# Altium PCB work_pcb.PcbDoc (part 2 of 2)
Units mm, origin at the board's own origin, x right, y up, seen from the top; angles counter-clockwise.
Board outline 119 x 103.3 mm, 2 copper layers (Top, Bottom), stack 1.571 mm thick; 306 components, 217 nets, 977 pads, 34 vias.
Unrouted connection lines stored in the file: 387.
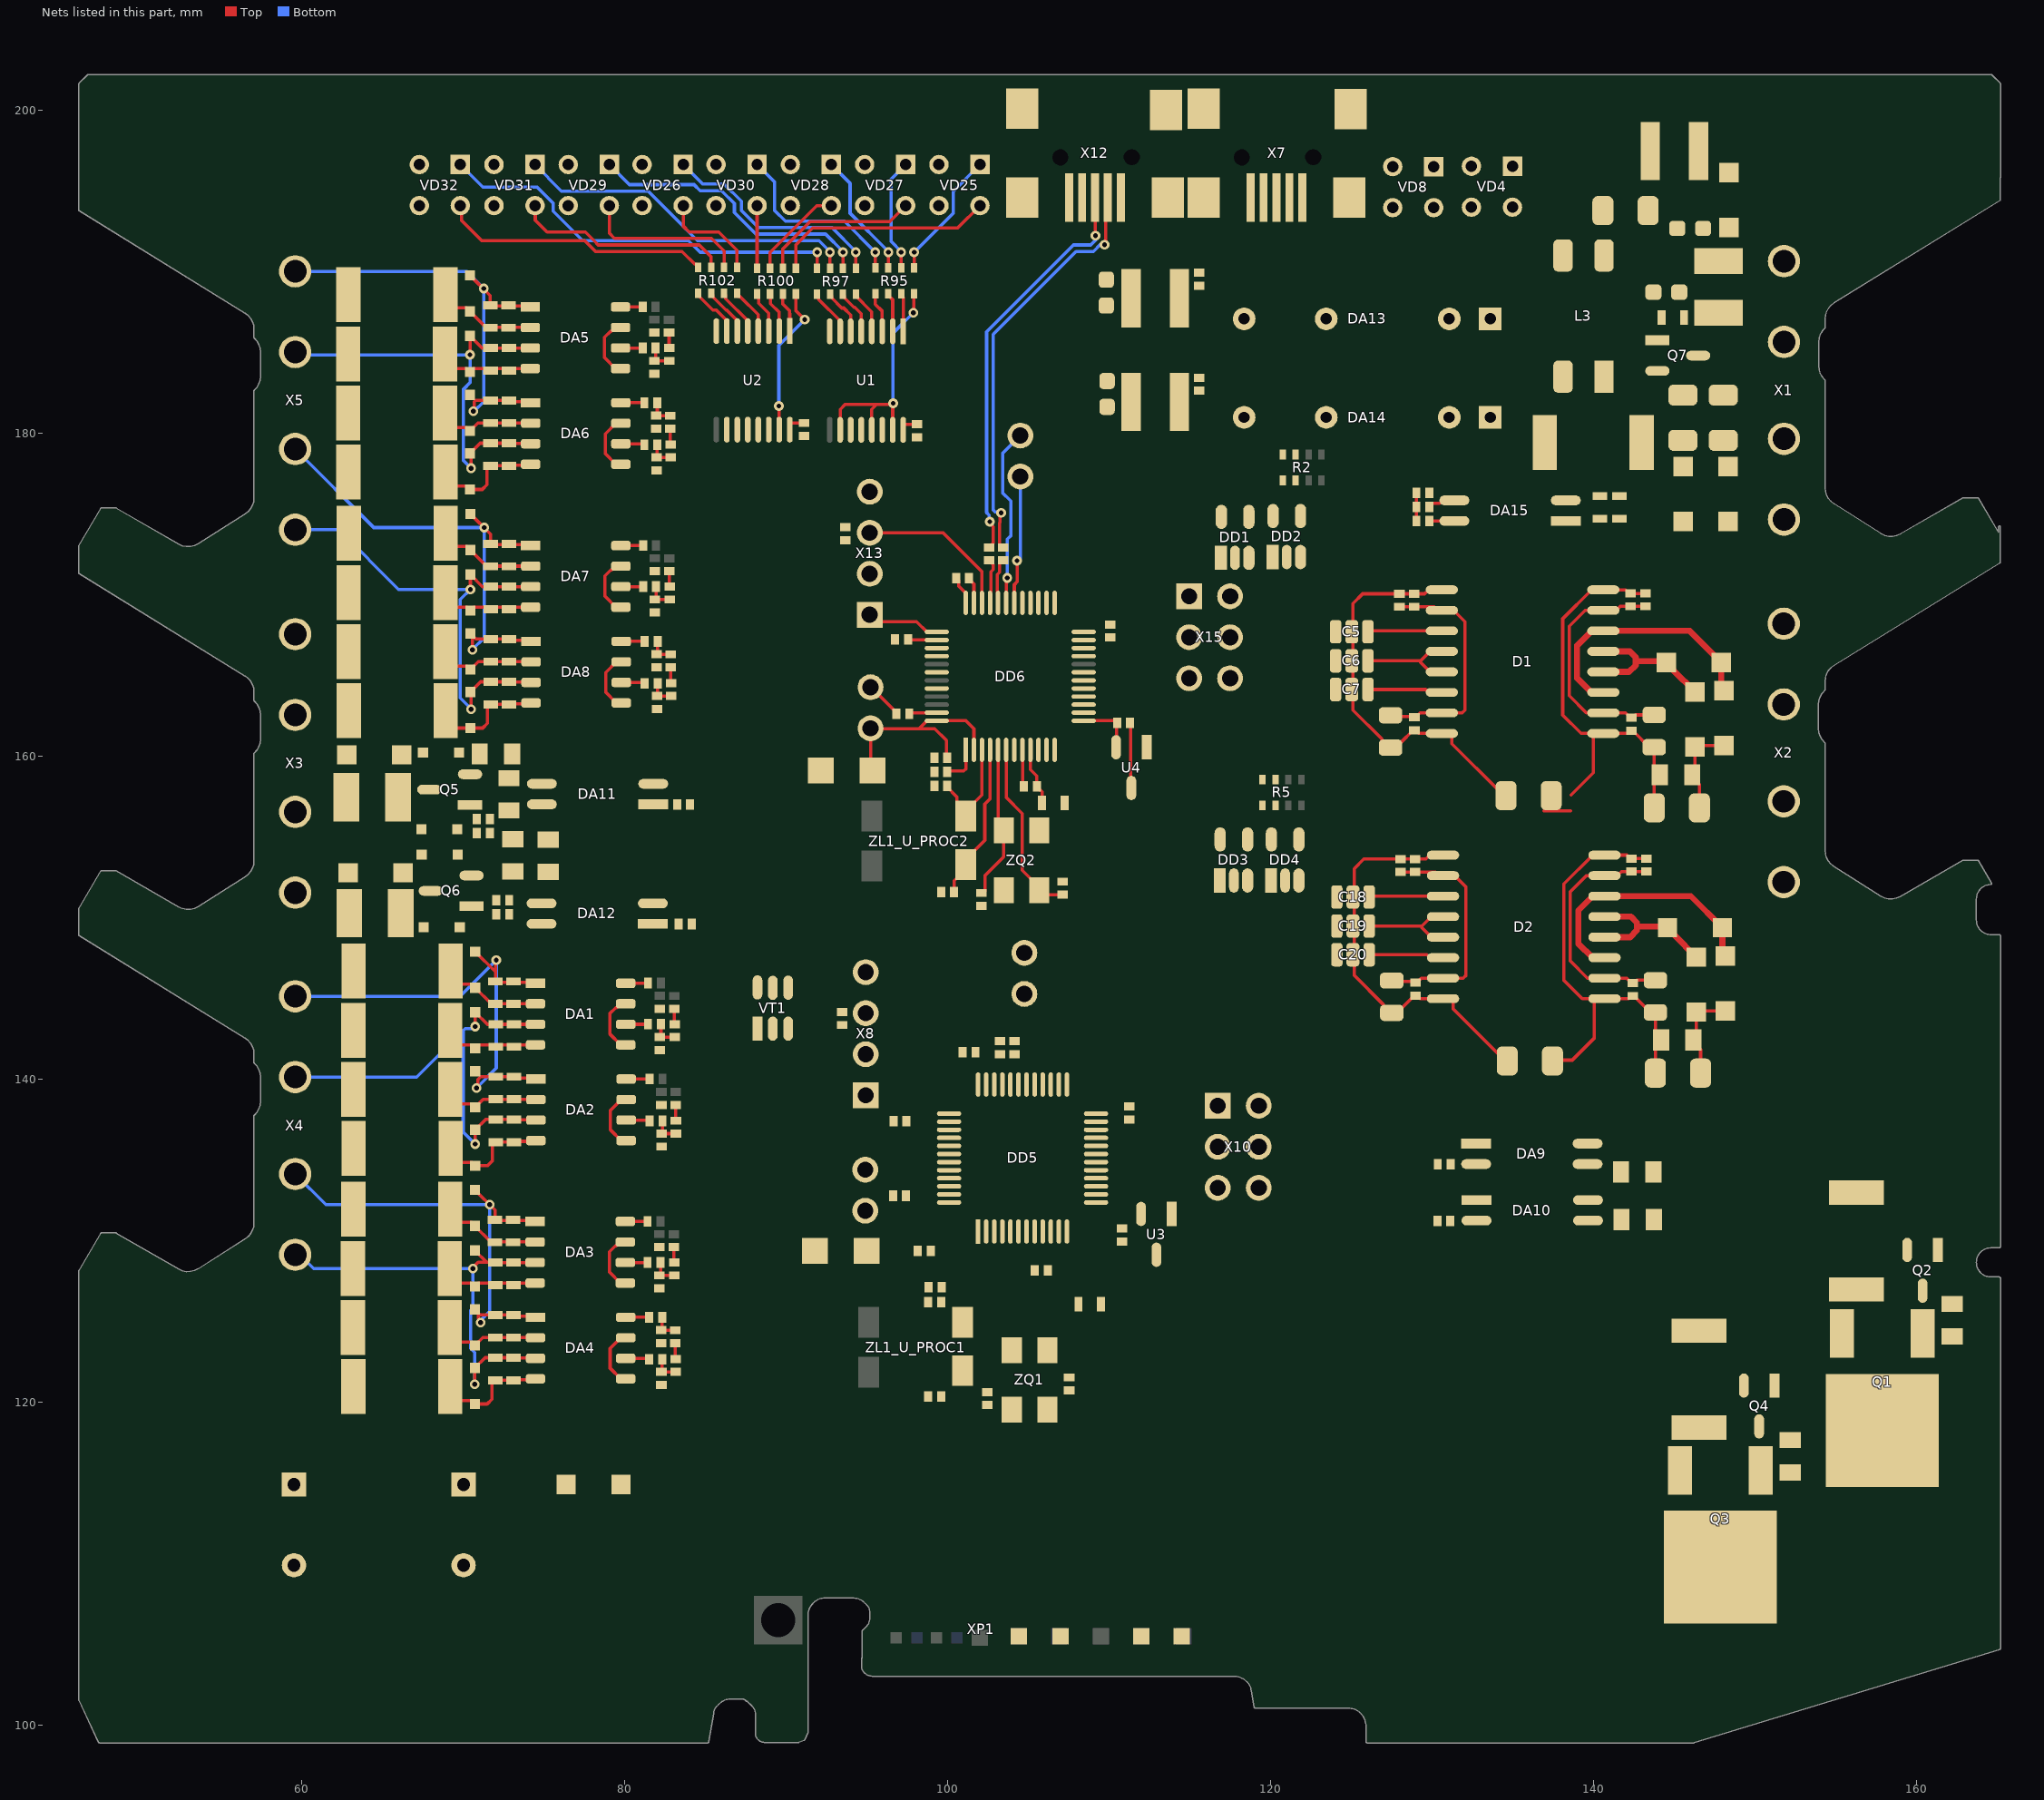
[diagram p2: the nets of this part, all layers, seen from the top]

## Via types
v1: diameter 0.6, hole 0.3, Top to Bottom, 34 vias

## Nets (pads, with @x,y where several pads share a name; then routed paths per layer and width w, separated by ;. In a path a pad name is that pad's centre, name@x,y a point inside that pad or via, vN(x,y) a via of type N, cw(c..) or ccw(c..) an arc to the next point about the centre after c; other vN are vias at no path point) (continued)
1out2_2: C36.2 DD6.42 R28.1 R33.1 | length 1.7
  Top w0.2: R33.1@82.32,125.248 82.32,124.525 C36.2@82.249,124.454 82.251,124.452 83.123,124.452 R28.1@83.126,124.45
1out2_3: C44.2 DD6.25 R48.1 R53.1 | length 1.7
  Top w0.2: R53.1@82.02,181.874 82.02,181.15 C44.2@81.949,181.079 81.951,181.077 82.823,181.077 R48.1@82.826,181.075
1out2_4: C52.2 DD6.19 R68.1 R73.1 | length 1.7
  Top w0.2: R73.1@82.045,167.099 82.045,166.375 C52.2@81.974,166.304 81.976,166.302 82.849,166.302 R68.1@82.851,166.3
2out1_1: C34.2 DD5.46 R17.1 R21.1 | length 1.7
  Top w0.2: C34.2@82.174,142.599 R17.1@83.099,142.599 ; C34.2@82.245,142.67 R21.1@82.245,143.399
2out1_2: C42.2 DD5.43 R37.1 R41.1 | length 1.7
  Top w0.2: C42.2@82.149,127.849 R37.1@83.074,127.849 ; C42.2@82.22,127.92 R41.1@82.22,128.649
2out1_3: C50.2 DD5.41 R57.1 R61.1 | length 1.7
  Top w0.2: C50.2@81.849,184.474 R57.1@82.774,184.474 ; C50.2@81.92,184.545 R61.1@81.92,185.274
2out1_4: C58.2 DD5.20 R77.1 R81.1 | length 1.7
  Top w0.2: C58.2@81.874,169.699 R77.1@82.799,169.699 ; C58.2@81.945,169.77 R81.1@81.945,170.499
2out2_1: C33.2 DD5.45 R18.1 R23.1 | length 1.7
  Top w0.2: R23.1@82.345,137.411 82.345,136.669 C33.2@82.299,136.624 R18.1@83.174,136.624
2out2_2: C41.2 DD5.42 R38.1 R43.1 | length 1.7
  Top w0.2: R43.1@82.32,122.661 82.32,121.919 C41.2@82.274,121.874 R38.1@83.149,121.874
2out2_3: C49.2 DD5.25 R58.1 R63.1 | length 1.7
  Top w0.2: R63.1@82.02,179.286 82.02,178.545 C49.2@81.974,178.499 R58.1@82.849,178.499
2out2_4: C57.2 DD5.19 R78.1 R83.1 | length 1.7
  Top w0.2: R83.1@82.045,164.511 82.045,163.77 C57.2@82,163.724 R78.1@82.874,163.724
3v_1: C1.1 C2.2 C8.2 C10.2 C59.1 C73.1 C74.1 C75.1 C76.2 C93.2 D1.2 D1.7 DA9.1 DD1.5 DD2.5 DD6.2 DD6.24 DD6.36 DD6.48 L2.1 L5.2 R7.2 R17.2 R27.2 R37.2 R47.2 R57.2 R67.2 R77.2 R114.1 R117.1 R120.2 U1.16 U4.1 X11.1 | length 35.3
  Top w0.2: R47.2@82.75,186.225 82.75,185.298 R57.2@82.774,185.274 ; R67.2@82.776,171.45 82.776,170.523 R77.2@82.799,170.499 ; R27.2@83.05,129.6 83.05,128.672 R37.2@83.074,128.649 ; R7.2@83.075,144.35 83.075,143.422 R17.2@83.099,143.399 ; C76.2@95.35,159.1 95.225,159.225 X11.1@95.225,161.725 95.25,161.7 98.228,161.7 ; U1.16@97.2,180.25 97.2,180.431 97.319,180.55 C59.1@98.1,180.55 ; C75.1@99.975,159.9 99.925,159.95 99.925,160.975 99.2,161.7 98.228,161.7 ; C73.1@100.525,171.025 100.675,170.875 100.675,170.548 101.126,170.097 DD6.36@101.126,169.487 ; DD6.2@101.626,160.387 101.626,161.699 101.138,162.187 DD6.48@99.326,162.187 98.716,162.187 98.228,161.7 ; C8.2@127.425,162.525 127.488,162.463 128.838,162.463 C10.2@128.9,162.4 128.975,162.4 129.25,162.675 D1.7@130.599,162.675 131.85,162.675 132.025,162.85 132.025,168.324 131.324,169.025 D1.2@130.599,169.025 ; C1.1@127.975,169.25 C2.2@128.875,169.25 130.125,169.25 D1.2@130.475,168.9
3v_2: C14.1 C15.2 C21.2 C23.2 C60.1 C61.1 C62.1 C63.1 C64.2 C97.2 D2.2 D2.7 DA10.1 DD3.5 DD4.5 DD5.24 DD5.36 DD5.48 L1.1 L6.2 R8.2 R18.2 R28.2 R38.2 R48.2 R58.2 R68.2 R78.2 U2.10 U2.13 U2.16 U3.1 X6.1 | length 19.9
  Top w0.2: R48.2@82.826,180.275 82.826,179.323 R58.2@82.849,179.299 ; R68.2@82.851,165.5 82.851,164.548 R78.2@82.874,164.524 ; R28.2@83.126,123.65 83.126,122.697 R38.2@83.149,122.674 ; R8.2@83.15,138.4 83.15,137.447 R18.2@83.174,137.424 ; U2.16@90.225,180.214 90.225,180.556 90.294,180.625 C60.1@91.1,180.625 ; C21.2@127.5,146.099 127.562,146.037 128.912,146.037 C23.2@128.975,145.974 129.05,145.974 129.324,146.249 D2.7@130.674,146.249 131.924,146.249 132.1,146.424 132.1,151.898 131.399,152.599 D2.2@130.674,152.599 ; C14.1@128.05,152.824 C15.2@128.95,152.824 130.2,152.824 D2.2@130.55,152.475
24+: C94.1 C95.1 Q5.3 Q6.3 R113.2 R116.2 VD39.K VD42.K VD48.K
24-: C90.1 C91.1 C94.2 C95.2 DA11.3 DA12.3 DA13.2 DA14.2 L3.3 R10.1 R15.1 R20.1 R25.1 R30.1 R35.1 R40.1 R45.1 R50.1 R55.1 R60.1 R65.1 R70.1 R75.1 R80.1 R85.1 VD40.A VD41.A VD43.A VD44.A
485_1_N: D1.12 D1.13 VD1.K VD2.K X2.2 XP1.2 | length 9.3
  Top w0.381: D1.12@140.599,165.215 142.191,165.215 142.6,165.623 142.6,165.874 ; D1.13@140.599,166.485 142.24,166.485 142.6,166.125 142.6,165.874 ; VD2.K@146.275,163.975 144.91,165.341 144.91,165.391 VD1.K@144.5,165.8 144.426,165.874 142.6,165.874
485_1_P: D1.11 D1.14 VD1.A VD3.K X2.1 XP1.1 | length 15.9
  Top w0.381: D1.11@140.599,163.945 139.855,163.945 138.975,164.825 138.975,166.855 139.874,167.755 D1.14@140.599,167.755 145.945,167.755 VD1.A@147.9,165.8 147.9,164.225 VD3.K@148.075,164.05
485_2_N: D2.12 D2.13 VD5.K VD6.K X2.4 XP1.5 | length 9.3
  Top w0.381: D2.12@140.674,148.789 142.266,148.789 142.675,149.198 142.675,149.449 ; D2.13@140.674,150.059 142.315,150.059 142.675,149.699 142.675,149.449 ; VD6.K@146.35,147.549 144.984,148.915 144.984,148.965 VD5.K@144.575,149.374 144.501,149.449 142.675,149.449
485_2_P: D2.11 D2.14 VD5.A VD7.K X2.3 XP1.4 | length 15.9
  Top w0.381: D2.11@140.674,147.519 139.93,147.519 139.05,148.399 139.05,150.43 139.949,151.329 D2.14@140.674,151.329 146.02,151.329 VD5.A@147.975,149.374 147.975,147.799 VD7.K@148.15,147.624
D_U_PROC1_N: DD5.32 R108.1
D_U_PROC1_P: DD5.33 R107.1
D_U_PROC2_N: DD6.32 R112.1 | length 2.9
  Top w0.2: DD6.32@103.126,169.487 103.126,170.119 103.076,170.169 103.076,171.249 103.213,171.386 103.213,171.858 103.225,171.87 103.225,171.975 103.375,172.125 R112.1@103.45,172.125
D_U_PROC2_P: DD6.33 R111.1 | length 2.9
  Top w0.2: R111.1@102.575,172.125 102.65,172.125 102.8,171.975 102.8,171.87 102.813,171.858 102.813,171.552 102.676,171.415 102.676,170.169 102.626,170.119 DD6.33@102.626,169.487
Du_U_PROC1_N: R108.2 X7.2
Du_U_PROC1_P: R107.2 X7.3
Du_U_PROC2_N: R112.2 X12.2 | length 26
  Top w0.2: v1(103.316,175.066) 103.239,174.989 103.239,174.481 103.213,174.454 103.213,173.192 103.225,173.18 103.225,173.075 103.375,172.925 R112.2@103.45,172.925 ; v1(109.716,191.659) 109.793,191.735 109.793,194.456 X12.2@109.924,194.588
  Bottom w0.2: v1(103.316,175.066) 103.253,175.128 102.93,175.128 102.813,175.245 102.813,186.113 107.95,191.25 109.025,191.25 109.45,191.675 109.7,191.675 v1(109.716,191.659)
Du_U_PROC2_P: R111.2 X12.3 | length 25.4
  Top w0.2: R111.2@102.575,172.925 102.65,172.925 102.8,173.075 102.8,173.18 102.813,173.192 102.813,174.204 102.613,174.404 v1(102.613,174.512) ; X12.3@109.124,194.588 109.138,194.575 109.138,192.237 v1(109.151,192.224)
  Bottom w0.2: v1(102.613,174.512) 102.561,174.564 102.561,174.931 102.413,175.08 102.413,186.278 107.784,191.65 108.859,191.65 109.167,191.958 109.167,192.208 v1(109.151,192.224)
ERTH: C13.1 C26.1 R1.1 R4.1 VD2.A VD3.A VD6.A VD7.A | length 11.4
  Top w0.2: C13.1@146.55,156.8 146.55,158.25 146.275,158.525 VD2.A@146.275,160.575 146.35,160.65 VD3.A@148.075,160.65 ; C26.1@146.625,140.375 146.625,141.824 146.35,142.099 VD6.A@146.35,144.149 146.425,144.224 VD7.A@148.15,144.224
G1: DD6.29 VT1.2
G2: DD5.29 VT1.5
GND: C1.2 C2.1 C5.3 C6.3 C7.3 C8.1 C10.1 C12.1 C14.2 C15.1 C18.3 C19.3 C20.3 C21.1 C23.1 C25.1 C28.1 C30.1 C33.1 C34.1 C36.1 C38.1 C41.1 C42.1 C44.1 C46.1 C49.1 C50.1 C52.1 C54.1 C57.1 C58.1 C59.2 C60.2 C61.2 C62.2 C63.2 C64.1 C65.2 C66.2 C67.2 C68.2 C69.1 C70.2 C71.2 C72.1 C73.2 C74.2 C75.2 C76.1 C77.2 C78.2 C79.2 C80.2 C81.1 C82.2 C83.2 C84.1 C92.2 C93.1 C96.2 C97.1 C99.1 D1.1 D1.8 D2.1 D2.8 DA13.5 DA14.5 DA15.3 DD1.3 DD2.3 DD3.3 DD4.3 DD5.2 DD5.8 DD5.23 DD5.35 DD5.47 DD6.8 DD6.23 DD6.35 DD6.47 R105.1 R109.1 U1.8 U2.8 U3.2 U4.2 VD4.2 VD4.4 VD8.2 VD8.4 VD25.2 VD25.4 VD26.2 VD26.4 VD27.2 VD27.4 VD28.2 VD28.4 VD29.2 VD29.4 VD30.2 VD30.4 VD31.2 VD31.4 VD32.2 VD32.4 VT1.4 X7.4 X7.5 X7.6 X8.2 X10.4 X10.5 X10.6 X12.4 X12.5 X12.6 X13.2 X15.4 X15.5 X15.6 ZQ1.2 ZQ1.4 ZQ2.2 ZQ2.4 | length 63.1
  Top w0.2: R109.1@97.625,162.625 97.687,162.687 DD6.47@99.326,162.687 ; C73.2@101.325,171.025 101.325,170.95 101.626,170.649 DD6.35@101.626,169.487 ; DD6.8@104.626,160.387 104.641,160.372 104.641,158.209 C82.2@104.725,158.125 ; C84.1@111.3,162.05 111.337,162.013 111.337,158.063 U4.2@111.375,158.025 ; C99.1@129.825,175.425 129.825,175.5 129.975,175.65 130.457,175.65 130.642,175.835 DA15.3@131.375,175.835 ; D1.1@131.324,170.295 D1.1@130.599,170.295 129.78,170.295 129.535,170.05 C2.1@128.875,170.05 C1.2@127.975,170.05 125.7,170.05 125.1,169.45 125.1,162.85 126.893,161.057 126.893,160.914 127.281,160.525 C8.1@127.425,160.525 127.732,160.832 128.057,160.832 128.825,161.6 C10.1@128.9,161.6 128.975,161.6 129.17,161.405 D1.8@130.599,161.405 131.063,161.405 131.224,161.243 131.224,160.776 134.15,157.85 C12.1@134.15,157.6 ; D2.1@131.399,153.869 D2.1@130.674,153.869 129.854,153.869 129.61,153.624 C15.1@128.95,153.624 C14.2@128.05,153.624 125.775,153.624 125.175,153.024 125.175,146.424 126.967,144.632 126.967,144.488 127.356,144.099 C21.1@127.5,144.099 127.807,144.407 128.132,144.407 128.9,145.174 C23.1@128.975,145.174 129.05,145.174 129.245,144.979 D2.8@130.674,144.979 131.137,144.979 131.299,144.817 131.299,144.35 134.225,141.424 C25.1@134.225,141.174
H\o\n\_1: DD6.14 R87.1
in1_1: C27.2 C31.2 DA1.1 DA2.1 R9.2 R19.2 VD9.K VD11.K X4.1 | length 31.7
  Top w0.2: VD9.K@70.749,147.889 71.999,146.639 ; v1(70.825,139.45) 70.902,139.527 70.902,139.961 71.089,140.149 R19.2@72.024,140.149 C31.2@73.149,140.149 73.221,140.076 74.432,140.076 DA2.1@74.505,140.004 ; v1(72.05,147.375) 71.999,147.324 71.999,146.639 ; DA1.1@74.48,145.934 74.422,145.991 72.056,145.991 R9.2@71.999,146.049 71.999,146.639
  Bottom w0.2: X4.1@59.6,145.125 69.8,145.125 v1(72.05,147.375) 72.05,140.675 v1(70.825,139.45)
in1_2: C35.2 C39.2 DA3.1 DA4.1 R29.2 R39.2 VD13.K VD15.K X4.3 | length 29.9
  Top w0.2: VD15.K@70.724,125.739 VD15.K@70.939,125.524 ; VD13.K@70.724,133.139 71.974,131.889 R29.2@71.974,131.299 72.031,131.241 74.397,131.241 DA3.1@74.455,131.184 ; v1(71.075,124.925) 71.075,125.033 70.939,125.169 VD15.K@70.939,125.524 ; DA4.1@74.48,125.254 74.407,125.326 73.196,125.326 C39.2@73.124,125.399 R39.2@71.999,125.399 71.064,125.399 VD15.K@70.939,125.524
  Bottom w0.2: X4.3@59.6,134.125 61.5,132.225 v1(71.65,132.225) 71.65,125.625 71.075,125.05 v1(71.075,124.925)
in1_3: C43.2 C47.2 DA5.1 DA6.1 R49.2 R59.2 VD17.K VD19.K X5.1 | length 29.1
  Top w0.2: VD17.K@70.424,189.764 71.674,188.514 R49.2@71.674,187.924 71.731,187.867 74.097,187.867 DA5.1@74.155,187.809 ; v1(70.625,181.35) 70.69,181.415 70.69,181.95 70.764,182.024 R59.2@71.699,182.024 C47.2@72.824,182.024 72.896,181.952 74.107,181.952 DA6.1@74.18,181.879
  Bottom w0.2: X5.1@59.6,190.016 70.209,190.016 v1(71.275,188.95) 71.275,181.95 70.675,181.35 v1(70.625,181.35)
in1_4: C51.2 C55.2 DA7.1 DA8.1 R69.2 R79.2 VD21.K VD23.K X5.3 | length 31.3
  Top w0.2: VD23.K@70.449,167.589 VD23.K@70.575,167.463 ; VD21.K@70.449,174.989 71.699,173.739 R69.2@71.699,173.149 71.757,173.092 74.123,173.092 DA7.1@74.18,173.034 ; v1(70.575,166.575) VD23.K@70.575,167.463 ; DA8.1@74.205,167.104 74.133,167.177 72.922,167.177 C55.2@72.849,167.249 R79.2@71.724,167.249 70.789,167.249 VD23.K@70.575,167.463
  Bottom w0.2: X5.3@59.6,179.016 64.466,174.15 v1(71.3,174.15) 71.3,167.325 70.575,166.6 v1(70.575,166.575)
in2_1: C29.2 C32.2 DA1.3 DA2.3 R14.2 R24.2 VD10.K VD12.K X4.2 | length 29.6
  Top w0.2: VD10.K@70.749,144.14 VD10.K@70.75,144.139 ; v1(70.75,135.975) VD12.K@70.749,136.864 VD12.K@70.749,136.864 71.384,137.499 R24.2@72.024,137.499 C32.2@73.149,137.499 73.166,137.481 74.487,137.481 DA2.3@74.505,137.464 ; v1(70.75,143.25) VD10.K@70.75,144.139 ; DA1.3@74.48,143.394 71.495,143.394 VD10.K@70.75,144.139
  Bottom w0.2: X4.2@59.6,140.125 67.117,140.125 70,143.008 ; v1(70.75,135.975) 70,136.725 70,143.008 ; v1(70.75,143.25) 70.625,143.125 70.117,143.125 70,143.008
in2_2: C37.2 C40.2 DA3.3 DA4.3 R34.2 R44.2 VD14.K VD16.K X4.4 | length 28.8
  Top w0.2: v1(70.6,128.275) 70.625,128.3 70.625,128.35 70.929,128.654 71.46,128.654 ; VD14.K@70.724,129.39 71.46,128.654 ; v1(70.725,121.1) 70.724,121.101 VD16.K@70.724,122.114 71.359,122.749 R44.2@71.999,122.749 C40.2@73.124,122.749 73.141,122.731 74.462,122.731 DA4.3@74.48,122.714 ; R34.2@71.999,128.644 DA3.3@74.455,128.644 ; R34.2@71.999,128.654 71.46,128.654
  Bottom w0.2: X4.4@59.6,129.125 59.891,129.125 60.741,128.275 v1(70.6,128.275) 70.6,125.804 70.475,125.679 70.475,123.316 70.725,123.066 v1(70.725,121.1)
in2_3: C45.2 C48.2 DA5.3 DA6.3 R54.2 R64.2 VD18.K VD20.K X5.2 | length 28.5
  Top w0.2: VD18.K@70.424,186.015 VD18.K@70.424,186.015 ; v1(70.425,184.85) VD18.K@70.424,186.015 ; v1(70.5,177.825) 70.5,178.663 VD20.K@70.424,178.739 71.059,179.374 R64.2@71.699,179.374 C48.2@72.824,179.374 72.841,179.357 74.162,179.357 DA6.3@74.18,179.339 ; DA5.3@74.155,185.269 71.17,185.269 VD18.K@70.424,186.015
  Bottom w0.2: X5.2@59.6,185.016 59.766,184.85 v1(70.425,184.85) 70.425,183.122 70.025,182.722 70.025,178.3 v1(70.5,177.825)
in2_4: C53.2 C56.2 DA7.3 DA8.3 R74.2 R84.2 VD22.K VD24.K X5.4 | length 30.4
  Top w0.2: v1(70.45,170.325) VD22.K@70.449,171.24 71.195,170.494 DA7.3@74.18,170.494 ; v1(70.5,162.9) 70.5,163.913 VD24.K@70.449,163.964 71.084,164.599 R84.2@71.724,164.599 C56.2@72.849,164.599 72.867,164.582 74.188,164.582 DA8.3@74.205,164.564
  Bottom w0.2: X5.4@59.6,174.016 62.309,174.016 66,170.325 v1(70.45,170.325) 69.825,169.7 69.825,163.6 70.5,162.925 v1(70.5,162.9)
in24+: DA9.4 DA10.4 FU3.1 Q1.2 Q3.2 X1.1 X1.2
in24-: Q2.3 Q4.3 R89.1 R90.1 R93.1 R94.1 VD47.K X1.3 X1.4
NetC3_1: C3.1 C4.2 C9.2 C11.2 D1.10 D1.15 | length 15.4
  Top w0.2: D1.10@140.599,162.675 141.975,162.675 142.275,162.375 C11.2@142.35,162.375 142.425,162.375 142.6,162.55 C9.2@143.75,162.55 ; D1.10@140.599,162.675 139.55,162.675 138.485,163.741 138.485,168.042 139.467,169.025 D1.15@140.599,169.025 141.4,169.025 141.65,169.275 C4.2@142.275,169.275 C3.1@143.2,169.275
NetC3_2: C3.2 C4.1 C9.1 C11.1 C12.2 C13.2 D1.9 D1.16 R1.2 | length 28.7
  Top w0.2: 136.925,156.6 138.575,156.6 ; 138.6,157.6 139.975,158.975 139.975,161.243 D1.9@140.137,161.405 ; C3.2@143.2,170.075 C4.1@142.275,170.075 142.2,170.075 141.98,170.295 D1.16@140.599,170.295 139.874,170.295 138.085,168.505 138.085,162.541 139.22,161.405 D1.9@140.137,161.405 ; C13.2@143.75,156.8 143.75,158.5 R1.2@144.1,158.85 143.75,159.2 C9.1@143.75,160.55 143.45,160.55 142.425,161.575 C11.1@142.35,161.575 142.275,161.575 142.105,161.405 D1.9@140.599,161.405 D1.9@140.137,161.405
NetC5_2: C5.2 D1.3 | length 4.6
  Top w0.2: C5.2@126.024,167.7 126.079,167.755 D1.3@130.599,167.755
NetC6_1: C6.1 DD6.12
NetC6_2: C6.2 D1.4 D1.5 | length 6.5
  Top w0.2: C6.2@126.024,165.9 129.289,165.9 ; D1.5@130.599,165.215 129.874,165.215 129.289,165.8 129.289,165.9 ; D1.4@130.599,166.485 129.874,166.485 129.289,165.9
NetC7_2: C7.2 D1.6 | length 4.6
  Top w0.2: C7.2@126.024,164.125 129.6,164.125 129.78,163.945 D1.6@130.599,163.945
NetC16_1: C16.1 C17.2 C22.2 C24.2 D2.10 D2.15 | length 15.4
  Top w0.2: C16.1@143.275,152.849 C17.2@142.35,152.849 141.725,152.849 141.474,152.599 D2.15@140.674,152.599 139.542,152.599 138.559,151.616 138.559,147.315 139.625,146.249 140.674,146.249 142.05,146.249 142.35,145.949 C24.2@142.425,145.949 142.5,145.949 142.675,146.124 C22.2@143.825,146.124
NetC16_2: C16.2 C17.1 C22.1 C24.1 C25.2 C26.2 D2.9 D2.16 R4.2 | length 28.7
  Top w0.2: C25.2@137.025,141.174 138.675,141.174 140.05,142.549 140.05,144.817 D2.9@140.211,144.979 ; C16.2@143.275,153.649 C17.1@142.35,153.649 142.275,153.649 142.055,153.869 D2.16@140.674,153.869 139.949,153.869 138.159,152.079 138.159,146.115 139.295,144.979 D2.9@140.211,144.979 ; C26.2@143.825,140.375 143.825,142.075 R4.2@144.175,142.424 143.825,142.774 C22.1@143.825,144.124 143.525,144.124 142.5,145.149 C24.1@142.425,145.149 142.35,145.149 142.179,144.979 D2.9@140.674,144.979 D2.9@140.211,144.979
NetC18_2: C18.2 D2.3 | length 4.6
  Top w0.2: C18.2@126.099,151.274 126.154,151.329 D2.3@130.674,151.329
NetC19_1: C19.1 DD5.12
NetC19_2: C19.2 D2.4 D2.5 | length 6.5
  Top w0.2: C19.2@126.099,149.474 129.364,149.474 ; D2.5@130.674,148.789 129.949,148.789 129.364,149.374 129.364,149.474 ; D2.4@130.674,150.059 129.949,150.059 129.364,149.474
NetC20_2: C20.2 D2.6 | length 4.6
  Top w0.2: C20.2@126.099,147.699 129.674,147.699 129.854,147.519 D2.6@130.674,147.519
NetC27_1: C27.1 DA1.2 R9.1 R10.2 VD9.A | length 6.2
  Top w0.2: R10.2@69.224,146.699 69.224,146.524 69.874,145.874 70.534,145.874 VD9.A@70.749,145.659 71.744,144.664 DA1.2@74.48,144.664
NetC29_1: C29.1 DA1.4 R14.1 R15.2 VD10.A | length 6
  Top w0.2: R15.2@69.199,143.024 69.199,142.775 69.849,142.125 70.534,142.125 VD10.A@70.749,141.91 70.963,142.124 DA1.4@74.48,142.124
NetC31_1: C31.1 DA2.2 R19.1 R20.2 VD11.A | length 6.1
  Top w0.2: R20.2@69.199,139.375 69.199,139.124 69.849,138.474 70.534,138.474 VD11.A@70.749,138.259 71.239,138.749 R19.1@72.024,138.749 C31.1@73.149,138.749 73.156,138.741 74.497,138.741 DA2.2@74.505,138.734
NetC32_1: C32.1 DA2.4 R24.1 R25.2 VD12.A | length 7.1
  Top w0.2: R25.2@69.224,135.725 69.224,135.499 69.874,134.849 70.534,134.849 VD12.A@70.749,134.634 71.509,134.634 71.8,134.925 71.8,135.949 71.95,136.099 R24.1@72.024,136.099 C32.1@73.149,136.099 73.196,136.146 74.457,136.146 DA2.4@74.505,136.194
NetC35_1: C35.1 DA3.2 R29.1 R30.2 VD13.A | length 6.2
  Top w0.2: R30.2@69.199,131.949 69.199,131.774 69.849,131.124 70.509,131.124 VD13.A@70.724,130.909 71.719,129.914 DA3.2@74.455,129.914
NetC37_1: C37.1 DA3.4 R34.1 R35.2 VD14.A | length 6
  Top w0.2: R35.2@69.174,128.274 69.174,128.025 69.824,127.375 70.509,127.375 VD14.A@70.724,127.16 70.938,127.374 DA3.4@74.455,127.374
NetC39_1: C39.1 DA4.2 R39.1 R40.2 VD15.A | length 6.1
  Top w0.2: R40.2@69.174,124.625 69.174,124.374 69.824,123.724 70.509,123.724 VD15.A@70.724,123.509 71.214,123.999 R39.1@71.999,123.999 C39.1@73.124,123.999 73.131,123.991 74.472,123.991 DA4.2@74.48,123.984
NetC40_1: C40.1 DA4.4 R44.1 R45.2 VD16.A | length 7.1
  Top w0.2: R45.2@69.199,120.975 69.199,120.749 69.849,120.099 70.509,120.099 VD16.A@70.724,119.884 71.484,119.884 71.775,120.175 71.775,121.199 71.925,121.349 R44.1@71.999,121.349 C40.1@73.124,121.349 73.171,121.396 74.432,121.396 DA4.4@74.48,121.444
NetC43_1: C43.1 DA5.2 R49.1 R50.2 VD17.A | length 6.2
  Top w0.2: R50.2@68.899,188.575 68.899,188.399 69.549,187.749 70.209,187.749 VD17.A@70.424,187.534 71.419,186.539 DA5.2@74.155,186.539
NetC45_1: C45.1 DA5.4 R54.1 R55.2 VD18.A | length 6
  Top w0.2: R55.2@68.874,184.9 68.874,184.65 69.524,184 70.209,184 VD18.A@70.424,183.785 70.638,183.999 DA5.4@74.155,183.999
NetC47_1: C47.1 DA6.2 R59.1 R60.2 VD19.A | length 6.1
  Top w0.2: R60.2@68.874,181.25 68.874,180.999 69.524,180.349 70.209,180.349 VD19.A@70.424,180.134 70.914,180.624 R59.1@71.699,180.624 C47.1@72.824,180.624 72.831,180.617 74.172,180.617 DA6.2@74.18,180.609
NetC48_1: C48.1 DA6.4 R64.1 R65.2 VD20.A | length 7.1
  Top w0.2: R65.2@68.899,177.6 68.899,177.374 69.549,176.724 70.209,176.724 VD20.A@70.424,176.509 71.184,176.509 71.475,176.8 71.475,177.824 71.625,177.974 R64.1@71.699,177.974 C48.1@72.824,177.974 72.871,178.022 74.132,178.022 DA6.4@74.18,178.069
NetC51_1: C51.1 DA7.2 R69.1 R70.2 VD21.A | length 6.2
  Top w0.2: R70.2@68.925,173.8 68.925,173.624 69.575,172.974 70.234,172.974 VD21.A@70.449,172.759 71.444,171.764 DA7.2@74.18,171.764
NetC53_1: C53.1 DA7.4 R74.1 R75.2 VD22.A | length 6
  Top w0.2: R75.2@68.9,170.125 68.9,169.875 69.55,169.225 70.234,169.225 VD22.A@70.449,169.01 70.663,169.224 DA7.4@74.18,169.224
NetC55_1: C55.1 DA8.2 R79.1 R80.2 VD23.A | length 6.1
  Top w0.2: R80.2@68.9,166.475 68.9,166.224 69.55,165.574 70.234,165.574 VD23.A@70.449,165.359 70.939,165.849 R79.1@71.724,165.849 C55.1@72.849,165.849 72.857,165.842 74.198,165.842 DA8.2@74.205,165.834
NetC56_1: C56.1 DA8.4 R84.1 R85.2 VD24.A | length 7.2
  Top w0.2: R85.2@68.925,162.825 68.925,162.384 69.575,161.734 VD24.A@70.449,161.734 71.209,161.734 71.5,162.025 71.5,163.049 71.65,163.199 R84.1@71.724,163.199 C56.1@72.849,163.199 72.897,163.247 74.158,163.247 DA8.4@74.205,163.294
NetC65_1: C65.1 DD5.1
NetC66_1: C66.1 DD5.4 ZL1_U_PROC1.2
NetC67_1: C67.1 DD5.3 ZL1_U_PROC1.1
NetC68_1: C68.1 DD5.5 ZQ1.1
NetC69_2: C69.2 DD5.6 ZQ1.3
NetC70_1: C70.1 DD5.9 L1.2
NetC72_2: C72.2 DD5.13 U3.3
NetC77_1: C77.1 DD6.1 | length 2.4
  Top w0.2: C77.1@99.975,159.025 100.025,159.075 101,159.075 101.126,159.201 DD6.1@101.126,160.387
NetC78_1: C78.1 DD6.4 ZL1_U_PROC2.2 | length 9.7
  Top w0.2: C78.1@100.4,151.575 100.4,152.275 101.112,152.988 ZL1_U_PROC2.2@101.112,153.288 101.112,153.588 102.3,154.775 102.3,157.025 102.626,157.351 DD6.4@102.626,160.387
NetC79_1: C79.1 DD6.3 ZL1_U_PROC2.1 | length 6.9
  Top w0.2: C79.1@99.975,158.15 99.975,158.075 100.562,157.488 100.562,156.838 ZL1_U_PROC2.1@101.112,156.288 101.112,156.588 102.126,157.601 DD6.3@102.126,160.387
NetC80_1: C80.1 DD6.5 ZQ2.1 | length 9.6
  Top w0.2: C80.1@102.1,151.525 102.175,151.525 102.325,151.675 102.325,152.612 103.475,153.762 ZQ2.1@103.475,155.4 103.126,155.749 DD6.5@103.126,160.387
NetC81_2: C81.2 DD6.6 ZQ2.3 | length 11.1
  Top w0.2: DD6.6@103.626,160.387 103.626,157.449 104.625,156.45 104.625,152.925 105.675,151.875 ZQ2.3@105.675,151.7 105.95,151.425 C81.2@107.125,151.425
NetC82_1: C82.1 DD6.9 L2.2 | length 3.6
  Top w0.2: DD6.9@105.126,160.387 105.126,159.17 105.525,158.77 C82.1@105.525,158.125 105.525,158.05 105.675,157.9 105.733,157.9 105.85,157.783 L2.2@105.85,157.1
NetC84_2: C84.2 DD6.13 U4.3 | length 3.7
  Top w0.2: DD6.13@108.426,162.187 110.363,162.187 C84.2@110.5,162.05 110.462,162.013 110.462,160.587 U4.3@110.425,160.55
NetC85_1: C85.1 DA11.4 R12.1 R115.1
NetC85_2: C85.2 Q5.1 R115.2
NetC86_1: C86.1 DA12.4 R16.1 R118.1
NetC86_2: C86.2 Q6.1 R118.2
NetC87_1: C87.1 C88.1 C89.1 L3.4 R124.1 VD45.A VD46.A VD47.A
NetC87_2: C87.2 C88.2 L3.1 Q7.3
NetC89_2: C89.2 Q7.1 R119.2 VD46.K
NetC90_2: C90.2 DA13.1 DA14.1 L4.2 VD48.A
NetC91_2: C91.2 L3.2 L4.1
NetC92_1: C92.1 DA13.7 L5.1
NetC96_1: C96.1 DA14.7 L6.1
NetC98_1: C98.1 DA15.2 R121.1 R124.2
NetC98_2: C98.2 DA15.1 FU3.2 Q7.2 R119.1 R121.2 VD45.K
NetDA1_6: DA1.6 R21.2 | length 1.4
  Top w0.2: DA1.6@80.068,143.394 81.44,143.394 R21.2@81.445,143.399
NetDA1_8: DA1.8 R11.2 | length 1.4
  Top w0.2: DA1.8@80.068,145.934 81.43,145.934 R11.2@81.445,145.948
NetDA2_6: DA2.6 R23.2 | length 1.5
  Top w0.2: DA2.6@80.093,137.464 81.492,137.464 R23.2@81.545,137.411
NetDA2_8: DA2.8 R13.2 | length 1.5
  Top w0.2: DA2.8@80.093,140.004 81.54,140.004 R13.2@81.545,139.999
NetDA3_6: DA3.6 R41.2 | length 1.4
  Top w0.2: DA3.6@80.043,128.644 81.415,128.644 R41.2@81.42,128.649
NetDA3_8: DA3.8 R31.2 | length 1.4
  Top w0.2: DA3.8@80.043,131.184 81.405,131.184 R31.2@81.42,131.198
NetDA4_6: DA4.6 R43.2 | length 1.5
  Top w0.2: DA4.6@80.068,122.714 81.467,122.714 R43.2@81.52,122.661
NetDA4_8: DA4.8 R33.2 | length 1.5
  Top w0.2: DA4.8@80.068,125.254 81.515,125.254 R33.2@81.52,125.248
NetDA5_6: DA5.6 R61.2 | length 1.4
  Top w0.2: DA5.6@79.743,185.269 81.115,185.269 R61.2@81.12,185.274
NetDA5_8: DA5.8 R51.2 | length 1.4
  Top w0.2: DA5.8@79.743,187.809 81.105,187.809 R51.2@81.12,187.824
NetDA6_6: DA6.6 R63.2 | length 1.5
  Top w0.2: DA6.6@79.768,179.339 81.167,179.339 R63.2@81.22,179.286
NetDA6_8: DA6.8 R53.2 | length 1.5
  Top w0.2: DA6.8@79.768,181.879 81.215,181.879 R53.2@81.22,181.874
NetDA7_6: DA7.6 R81.2 | length 1.4
  Top w0.2: DA7.6@79.768,170.494 81.14,170.494 R81.2@81.145,170.499
NetDA7_8: DA7.8 R71.2 | length 1.4
  Top w0.2: DA7.8@79.768,173.034 81.131,173.034 R71.2@81.145,173.049
NetDA8_6: DA8.6 R83.2 | length 1.5
  Top w0.2: DA8.6@79.793,164.564 81.192,164.564 R83.2@81.245,164.511
NetDA8_8: DA8.8 R73.2 | length 1.5
  Top w0.2: DA8.8@79.793,167.104 81.24,167.104 R73.2@81.245,167.099
NetDA9_2: DA9.2 R87.2
NetDA9_3: DA9.3 R88.2
NetDA10_2: DA10.2 R91.2
NetDA10_3: DA10.3 R92.2
NetDA11_1: DA11.1 R114.2
NetDA11_2: DA11.2 DD6.22
NetDA12_1: DA12.1 R117.2
NetDA12_2: DA12.2 DD6.21
NetDA15_4: DA15.4 R123.2 | length 1.6
  Top w0.2: R123.2@129.825,174.55 129.84,174.565 DA15.4@131.375,174.565
NetDD1_4: DD1.4 R2.1
NetDD2_4: DD2.4 R2.2
NetDD3_4: DD3.4 R5.1
NetDD4_4: DD4.4 R5.2
NetDD5_14: DD5.14 R91.1
NetDD5_16: DD5.16 X10.3
NetDD5_17: DD5.17 X10.2
NetDD5_18: DD5.18 X10.1
NetDD5_21: DD5.21
NetDD5_22: DD5.22
NetDD5_30: DD5.30 X9.2
NetDD5_31: DD5.31 X9.1
NetDD5_34: DD5.34 X8.3
NetDD5_37: DD5.37 X8.1
NetDD5_38: DD5.38 R106.1
NetDD5_39: DD5.39 DD6.40
NetDD5_40: DD5.40 DD6.39
NetDD5_44: DD5.44 R105.2 X6.2
NetDD6_16: DD6.16 X15.3
NetDD6_17: DD6.17 X15.2
NetDD6_18: DD6.18 X15.1
NetDD6_26: DD6.26 U1.11
NetDD6_27: DD6.27 U1.12
NetDD6_28: DD6.28 U1.14
NetDD6_30: DD6.30 X14.2 | length 8
  Top w0.2: DD6.30@104.126,169.487 104.126,170.613 104.3,170.788 v1(104.3,172.1)
  Bottom w0.2: v1(104.3,172.1) 104.375,172.1 104.5,172.225 X14.2@104.5,177.31
NetDD6_31: DD6.31 X14.1 | length 11.2
  Top w0.2: DD6.31@103.626,169.487 103.626,170.901 103.7,170.975 v1(103.7,171.036)
  Bottom w0.2: v1(103.7,171.036) 103.7,173.427 103.916,173.642 103.916,175.784 103.4,176.3 103.4,178.75 X14.1@104.5,179.85
NetDD6_34: DD6.34 X13.3 | length 9.9
  Top w0.2: X13.3@95.175,173.83 99.72,173.83 102.126,171.424 DD6.34@102.126,169.487
NetDD6_37: DD6.37 X13.1 | length 4.6
  Top w0.2: X13.1@95.175,168.75 95.6,168.325 98.078,168.325 98.716,167.687 DD6.37@99.326,167.687
NetDD6_38: DD6.38 R110.1 | length 1.8
  Top w0.2: R110.1@97.55,167.225 97.588,167.187 DD6.38@99.326,167.187
NetDD6_44: DD6.44 R109.2 X11.2 | length 2.3
  Top w0.2: X11.2@95.225,164.265 95.26,164.265 96.825,162.7 R109.2@96.825,162.625
NetFU1_1: FU1.1 Q5.2 VD39.A VD40.K VD41.K
NetFU1_2: FU1.2 X3.1 X3.2
NetFU2_1: FU2.1 Q6.2 VD42.A VD43.K VD44.K
NetFU2_2: FU2.2 X3.3 X3.4
NetQ1_1: Q1.1 Q2.2 R88.1 R89.2
NetQ1_3: Q1.3 Q2.1 R90.2
NetQ3_1: Q3.1 Q4.2 R92.1 R93.2
NetQ3_3: Q3.3 Q4.1 R94.2
NetR2_7: R2.7 VD4.3
NetR2_8: R2.8 VD4.1
NetR5_7: R5.7 VD8.3
NetR5_8: R5.8 VD8.1
NetR12_2: R12.2 R113.1
NetR16_2: R16.2 R116.1
NetR95_1: R95.1 U1.3 | length 2.5
  Top w0.2: R95.1@95.524,188.625 95.524,187.973 95.95,187.547 U1.3@95.95,186.301
NetR95_2: R95.2 U1.2 | length 2.4
  Top w0.2: R95.2@96.324,188.625 96.324,188.525 96.6,188.249 U1.2@96.6,186.301
NetR95_3: R95.3 U1.1 | length 2.4
  Top w0.2: R95.3@97.124,188.625 97.124,188.525 97.25,188.399 U1.1@97.25,186.301
NetR95_4: R95.4 U1.10 U1.13 U1.15 | length 15.3
  Top w0.2: U1.10@93.35,180.201 93.35,181.475 93.65,181.775 95.6,181.775 ; U1.13@95.3,180.201 95.3,181.475 95.6,181.775 ; U1.15@96.6,180.201 v1@96.6,181.825 ; v1(96.625,181.85) v1@96.6,181.825 ; v1(97.875,187.45) 97.9,187.475 97.9,188.6 R95.4@97.924,188.625 ; 95.6,181.775 96.55,181.775 v1@96.6,181.825
  Bottom w0.2: v1(96.625,181.85) 96.625,186.2 v1(97.875,187.45)
NetR95_5: R95.5 VD25.1 | length 8.1
  Top w0.2: R95.5@97.924,190.225 v1(97.924,191.2)
  Bottom w0.2: v1(97.924,191.2) 100.361,193.637 100.361,194.986 VD25.1@102.001,196.626
NetR95_6: R95.6 VD27.1 | length 7
  Top w0.2: R95.6@97.124,190.225 v1(97.124,191.2)
  Bottom w0.2: v1(97.124,191.2) 97.124,191.249 96.5,191.873 96.5,195.726 VD27.1@97.4,196.626
NetR95_7: R95.7 VD28.1 | length 7.9
  Top w0.2: R95.7@96.324,190.225 v1(96.324,191.2)
  Bottom w0.2: VD28.1@92.8,196.626 93.96,195.466 93.96,193.613 96.324,191.249 v1(96.324,191.2)
NetR95_8: R95.8 VD30.1 | length 11.6
  Top w0.2: R95.8@95.524,190.225 v1(95.524,191.2)
  Bottom w0.2: VD30.1@88.2,196.626 89.294,195.532 89.294,193.779 89.95,193.123 93.601,193.123 v1(95.524,191.2)
NetR97_1: R97.1 U1.7 | length 2.9
  Top w0.2: R97.1@91.914,188.6 92.014,188.5 92.014,188.283 93.35,186.948 U1.7@93.35,186.301
NetR97_2: R97.2 U1.6 | length 2.9
  Top w0.2: R97.2@92.714,188.6 92.814,188.5 92.814,188.376 93.445,187.746 93.569,187.746 94,187.315 U1.6@94,186.301
NetR97_3: R97.3 U1.5 | length 2.8
  Top w0.2: R97.3@93.514,188.6 93.614,188.5 93.614,188.376 94.202,187.788 94.262,187.788 94.65,187.401 U1.5@94.65,186.301
NetR97_4: R97.4 U1.4 | length 2.7
  Top w0.2: R97.4@94.314,188.6 94.314,188.5 95.3,187.515 U1.4@95.3,186.301
NetR97_5: R97.5 VD26.1 | length 14.3
  Top w0.2: R97.5@94.314,190.2 v1(94.314,191.2)
  Bottom w0.2: VD26.1@83.625,196.626 84.835,195.415 86.169,195.415 87.229,194.355 87.229,193.783 88.29,192.723 92.84,192.723 94.314,191.249 v1(94.314,191.2)
NetR97_6: R97.6 VD29.1 | length 18.1
  Top w0.2: R97.6@93.514,190.2 v1(93.514,191.2)
  Bottom w0.2: VD29.1@79.05,196.626 80.29,195.386 84.299,195.386 84.67,195.015 86.003,195.015 86.798,194.22 86.798,193.649 88.124,192.323 92.44,192.323 93.514,191.249 v1(93.514,191.2)
NetR97_7: R97.7 VD31.1 | length 21.5
  Top w0.2: R97.7@92.714,190.2 v1(92.714,191.2)
  Bottom w0.2: VD31.1@74.45,196.626 76.09,194.986 81.458,194.986 82.725,193.718 82.725,193.713 84.515,191.923 92.04,191.923 92.714,191.249 v1(92.714,191.2)
NetR97_8: R97.8 VD32.1 | length 25.6
  Top w0.2: R97.8@91.914,190.2 v1(91.914,191.2)
  Bottom w0.2: VD32.1@69.825,196.626 71.224,195.227 74.581,195.227 75.572,194.237 75.572,193.751 77.398,191.925 83.947,191.925 84.672,191.2 v1(91.914,191.2)
NetR100_1: R100.1 U2.3 | length 2.6
  Top w0.2: R100.1@88.2,188.611 88.3,188.511 88.3,188.039 88.925,187.414 U2.3@88.925,186.314
NetR100_2: R100.2 U2.2 | length 2.5
  Top w0.2: R100.2@89,188.611 89.036,188.574 89.036,188.011 89.575,187.472 U2.2@89.575,186.314
NetR100_3: R100.3 U2.1 | length 2.5
  Top w0.2: R100.3@89.8,188.611 89.8,187.975 90.2,187.575 90.2,187.409 90.225,187.384 U2.1@90.225,186.314
NetR100_4: R100.4 U2.15 | length 9.3
  Top w0.2: v1(89.55,181.675) 89.562,181.663 89.562,180.227 89.55,180.214 U2.15@89.575,180.214 ; R100.4@90.6,188.611 90.6,187.575 v1(91.15,187.025)
  Bottom w0.2: v1(89.55,181.675) 89.55,185.425 v1(91.15,187.025)
NetR100_5: R100.5 VD25.3 | length 13.8
  Top w0.2: R100.5@90.6,190.211 90.6,191.65 91.65,192.7 100.615,192.7 VD25.3@102.001,194.086
NetR100_6: R100.6 VD27.3 | length 9.9
  Top w0.2: R100.6@89.8,190.211 89.8,191.416 91.484,193.1 96.414,193.1 VD27.3@97.4,194.086
NetR100_7: R100.7 VD28.3 | length 6
  Top w0.2: R100.7@89,190.211 89,191.181 91.9,194.081 92.796,194.081 VD28.3@92.8,194.086
NetR100_8: R100.8 VD30.3 | length 3.9
  Top w0.2: R100.8@88.2,190.211 VD30.3@88.2,194.086
NetR102_1: R102.1 U2.7 | length 3.2
  Top w0.2: R102.1@84.556,188.65 84.656,188.55 84.656,188.426 85.47,187.613 85.673,187.613 86.325,186.961 U2.7@86.325,186.314
NetR102_2: R102.2 U2.6 | length 3
  Top w0.2: R102.2@85.356,188.65 85.456,188.55 85.456,188.426 86.27,187.613 86.323,187.613 86.975,186.961 U2.6@86.975,186.314
NetR102_3: R102.3 U2.5 | length 2.9
  Top w0.2: R102.3@86.156,188.65 86.256,188.55 86.256,188.33 87.625,186.961 U2.5@87.625,186.314
NetR102_4: R102.4 U2.4 | length 2.9
  Top w0.2: R102.4@86.956,188.65 86.956,188.55 87.056,188.45 87.156,188.45 88.275,187.332 U2.4@88.275,186.314
NetR102_5: R102.5 VD26.3 | length 6.3
  Top w0.2: VD26.3@83.625,194.086 83.625,192.825 84,192.45 85.825,192.45 86.956,191.319 R102.5@86.956,190.25
NetR102_6: R102.6 VD29.3 | length 10.3
  Top w0.2: VD29.3@79.05,194.086 79.05,192.375 79.375,192.05 85.375,192.05 86.156,191.269 R102.6@86.156,190.25
NetR102_7: R102.7 VD31.3 | length 13.4
  Top w0.2: VD31.3@74.45,194.086 74.464,194.071 74.464,193.186 75.2,192.45 77.565,192.45 78.095,191.92 78.365,191.65 84.625,191.65 85.356,190.919 R102.7@85.356,190.25
NetR102_8: R102.8 VD32.3 | length 16.9
  Top w0.2: VD32.3@69.825,194.086 69.889,194.021 69.889,193.186 71.15,191.925 77.524,191.925 78.199,191.25 83.557,191.25 84.356,190.45 84.456,190.45 84.556,190.35 R102.8@84.556,190.25
NetR106_2: R106.2 X7.1
NetR110_2: R110.2 X12.1
NetVT1_1: VT1.1 VT1.3
OE: DA1.5 DA1.7 DA2.5 DA2.7 DA3.5 DA3.7 DA4.5 DA4.7 DA5.5 DA5.7 DA6.5 DA6.7 DA7.5 DA7.7 DA8.5 DA8.7 VT1.6 | length 29.9
  Top w0.2: DA5.5@79.743,183.999 79.433,183.999 78.75,184.682 78.75,185.925 79.125,186.3 79.169,186.3 79.409,186.539 DA5.7@79.743,186.539 ; DA6.5@79.768,178.069 79.458,178.069 78.8,178.727 78.8,179.951 79.458,180.609 DA6.7@79.768,180.609 ; DA7.5@79.768,169.224 79.458,169.224 78.775,169.907 78.775,171.15 79.15,171.525 79.195,171.525 79.434,171.764 DA7.7@79.768,171.764 ; DA8.5@79.793,163.294 79.483,163.294 78.825,163.952 78.825,165.176 79.483,165.834 DA8.7@79.793,165.834 ; DA3.5@80.043,127.374 79.733,127.374 79.05,128.057 79.05,129.3 79.425,129.675 79.469,129.675 79.709,129.914 DA3.7@80.043,129.914 ; DA4.5@80.068,121.444 79.758,121.444 79.1,122.102 79.1,123.326 79.758,123.984 DA4.7@80.068,123.984 ; DA1.5@80.068,142.124 79.758,142.124 79.075,142.807 79.075,144.05 79.45,144.425 79.494,144.425 79.734,144.664 DA1.7@80.068,144.664 ; DA2.5@80.093,136.194 79.783,136.194 79.125,136.852 79.125,138.076 79.783,138.734 DA2.7@80.093,138.734
Pg: C99.2 DD5.15 DD6.15 R120.1 R123.1 | length 1.8
  Top w0.2: R123.1@129.025,174.55 C99.2@129.025,175.425 R120.1@129.025,176.3
res_U_PROC1: C71.1 DD5.7 X8.4
res_U_PROC2: C83.1 DD6.7 X13.4
RX_485_U_PROC1: C18.1 DD3.1 DD3.2 DD5.11
RX_485_U_PROC2: C5.1 DD1.1 DD1.2 DD6.11
SPI2.MOSI: DD5.28 U2.14
SPI2.SCK: DD5.26 U2.11
SPI2.STCP: DD5.27 U2.12
TX_485_U_PROC1: C20.1 DD4.1 DD4.2 DD5.10
TX_485_U_PROC2: C7.1 DD2.1 DD2.2 DD6.10
pads on no net: R2.3 R2.4 R2.5 R2.6 R5.3 R5.4 R5.5 R5.6 U1.9 U2.9 X7.10 X7.11 X12.10 X12.11 XP1.1c XP1.2c XP1.3 XP1.3c XP1.4c XP1.5c XP1.6 XP1.7 XP1.7f XP1.8 XP1.8f XP1.9 ZL1_U_PROC1.3 ZL1_U_PROC2.3

## Keep-outs
Keep-Out Layer:
  region: 138.4,202.025 138.4,193.65 133.725,188.975 130.675,188.975 129.325,187.625 129.325,180.85 131,179.175 134.775,179.175 135.75,178.2 135.75,177.125 136.6,176.275 136.6,122.025 131.3,116.725 75.625,116.725 75.625,118.3 130.375,118.3 135.425,123.35 135.425,171.7 133.5,173.625 133.5,176.15 132.175,177.475 128.95,177.475 127.175,179.25 127.175,188.6 129.7,191.125 133.825,191.125 137.025,194.325 137.025,201.975
  region: 62.175,202.171 62.175,191.6 63.15,190.625 74.5,190.625 75.425,189.7 75.425,161.375 76.75,160.05 76.75,148.225 75.625,147.1 75.625,117.325 78.575,117.325 78.575,146.975 79.875,148.275 79.875,160.975 78.375,162.475 78.375,190.65 77.4,191.625 65.975,191.625 65.975,202.171
  lines w0.1: 46.25,195.85 46.25,201.6 cw(c46.3,201.6) 46.265,201.636 ; 46.3,127.7 ccw(c46.3,127.65) 46.25,127.65 46.25,101.573 ccw(c46.3,101.573) 46.254,101.552 47.454,98.979 ccw(c47.5,99) 47.5,98.95 85.12,98.95 ccw(c85.12,99) 85.17,98.992 85.471,100.724 ; 88.289,99.139 88.289,99.139 ; 164.6,152.1 ccw(c164.6,151.15) 163.65,151.15 163.65,149.85 ccw(c164.6,149.85) 164.6,148.9 165.1,148.9 cw(c165.1,148.85) 165.15,148.85 165.15,129.65 cw(c165.1,129.65) 165.1,129.6 164.6,129.6 ccw(c164.6,128.65) 163.65,128.65 ccw(c164.6,128.65) 164.6,127.7 165.1,127.7 cw(c165.1,127.65) 165.15,127.65 165.15,104.778 cw(c165.1,104.778) 165.115,104.73 ; 165.1,152.1 ccw(c165.1,152.15) 165.15,152.15 ccw(c165.1,152.15) 165.15,152.152 165.15,159.5 ; 165.15,195.85 165.15,201.6 ccw(c165.1,201.6) 165.135,201.636 ; 46.264,201.636 46.764,202.136 ; 46.264,201.636 46.265,201.636 ; 46.764,202.135 cw(c46.8,202.1) 46.8,202.15 164.6,202.15 cw(c164.6,202.1) 164.636,202.135 164.636,202.136 165.136,201.636 ; 46.764,202.135 46.764,202.136 ; 85.471,100.724 ccw(c85.422,100.733) 85.472,100.733 cw(c86.117,100.733) 85.661,101.19 ; 85.471,100.724 85.471,100.725 ; 85.471,100.724 85.471,100.725 ; 85.661,101.19 ccw(c85.625,101.225) 85.661,101.19 ; 85.661,101.19 85.661,101.19 ; 85.661,101.19 85.822,101.351 ; 85.822,101.351 cw(c85.787,101.387) 85.822,101.351 85.822,101.351 ; 85.822,101.351 cw(c86.603,100.57) 86.603,101.675 ; 86.603,101.675 ccw(c86.603,101.725) 86.604,101.675 ; 86.603,101.675 86.604,101.675 ; 86.603,101.675 86.603,101.675 ; 86.603,101.675 87.25,101.675 cw(c87.25,101.303) 87.513,101.566 ; 87.513,101.566 ccw(c87.25,101.303) 87.513,101.566 ; 87.513,101.566 87.539,101.539 87.539,101.54 ccw(c87.575,101.575) 87.575,101.525 cw(c87.575,101.435) 87.639,101.498 ; 87.639,101.498 ccw(c87.674,101.534) 87.639,101.498 ; 87.639,101.498 87.639,101.498 ; 87.639,101.498 87.639,101.498 ; 87.639,101.498 87.914,101.223 cw(c87.346,100.655) 88.15,100.655 88.15,99.477 ccw(c88.627,99.477) 88.289,99.139 ; 88.289,99.139 ccw(c88.687,99.537) 88.687,98.975 90.75,98.975 ccw(c90.75,99.025) 90.768,98.978 91.093,99.103 ccw(c91.075,99.15) 91.121,99.129 ; 91.121,99.129 cw(c91.075,99.15) 91.121,99.129 91.121,99.129 ; 91.121,99.129 91.121,99.129 ; 91.121,99.129 91.296,99.504 ; 91.296,99.504 ccw(c91.25,99.525) 91.296,99.504 ; 91.296,99.504 ccw(c91.25,99.525) 91.3,99.525 91.3,106.775 cw(c92.457,106.775) 91.639,107.593 ; 91.296,99.504 91.296,99.504 ; 91.296,99.504 91.296,99.504 ; 91.296,99.504 91.296,99.504 ; 91.639,107.593 ccw(c92.457,106.775) 91.639,107.593 ; 91.639,107.593 ccw(c91.604,107.629) 91.639,107.593 ; 91.639,107.593 91.639,107.593 ; 91.639,107.593 91.661,107.614 ; 91.661,107.614 cw(c91.625,107.65) 91.66,107.614 91.661,107.614 ; 91.661,107.614 cw(c92.41,106.865) 92.41,107.925 94.1,107.925 cw(c94.1,106.768) 94.918,107.586 ; 91.661,107.614 91.661,107.614 ; 94.739,104.136 ccw(c94.715,104.16) 94.75,104.16 94.75,105.8 cw(c94.8,105.8) 94.768,105.839 95.014,106.086 cw(c95.05,106.05) 95.015,106.086 ; 94.739,104.136 ccw(c94.775,104.1) 94.725,104.1 94.725,103.627 ccw(c95.202,103.627) 94.864,103.289 ; 94.739,104.136 94.739,104.136 ; 94.864,103.289 ccw(c95.383,103.808) 95.383,103.075 117.695,103.075 cw(c117.695,101.845) 118.564,102.714 ; 94.864,103.289 94.864,103.289 ; 94.918,107.586 ccw(c94.954,107.621) 94.918,107.586 95.039,107.464 ; 94.918,107.586 94.918,107.586 ; 95.015,106.086 ccw(c94.507,106.593) 95.225,106.593 95.225,107.017 ccw(c94.592,107.017) 95.039,107.464 ; 95.015,106.086 95.015,106.086 ; 95.039,107.465 ccw(c95.075,107.5) 95.039,107.464 ; 95.039,107.465 95.039,107.464 ; 95.039,107.464 95.039,107.464 ; 118.564,102.714 ccw(c118.6,102.75) 118.565,102.714 ; 118.564,102.714 118.565,102.714 ; 118.564,102.714 118.623,102.655 cw(c118.102,102.133) 118.624,102.655 cw(c118.102,102.133) 118.84,102.133 ccw(c118.89,102.133) 118.84,102.125 ; 118.84,102.125 ccw(c118.89,102.133) 118.84,102.125 ; 118.84,102.125 118.84,102.125 ; 118.84,102.125 118.84,102.125 ; 118.84,102.125 119.01,101.142 ; 119.01,101.142 ccw(c119.06,101.15) 119.01,101.141 ; 119.01,101.141 ccw(c119.06,101.15) 119.06,101.1 124.8,101.1 cw(c124.8,99.95) 125.95,99.95 125.95,99 ccw(c126,99) 126,98.95 146.2,98.95 ccw(c146.2,99) 146.215,98.952 ; 119.01,101.141 119.01,101.141 ; 146.215,98.952 146.215,98.952 ; 146.215,98.952 146.215,98.952 ; 146.215,98.952 165.115,104.73 ; 165.115,104.73 165.115,104.73 165.115,104.73 ; 165.135,201.636 165.136,201.636 ; 165.15,159.5 165.15,158 165.15,159.5